# Allegro board 20250806_UNOQ.brd (continued)
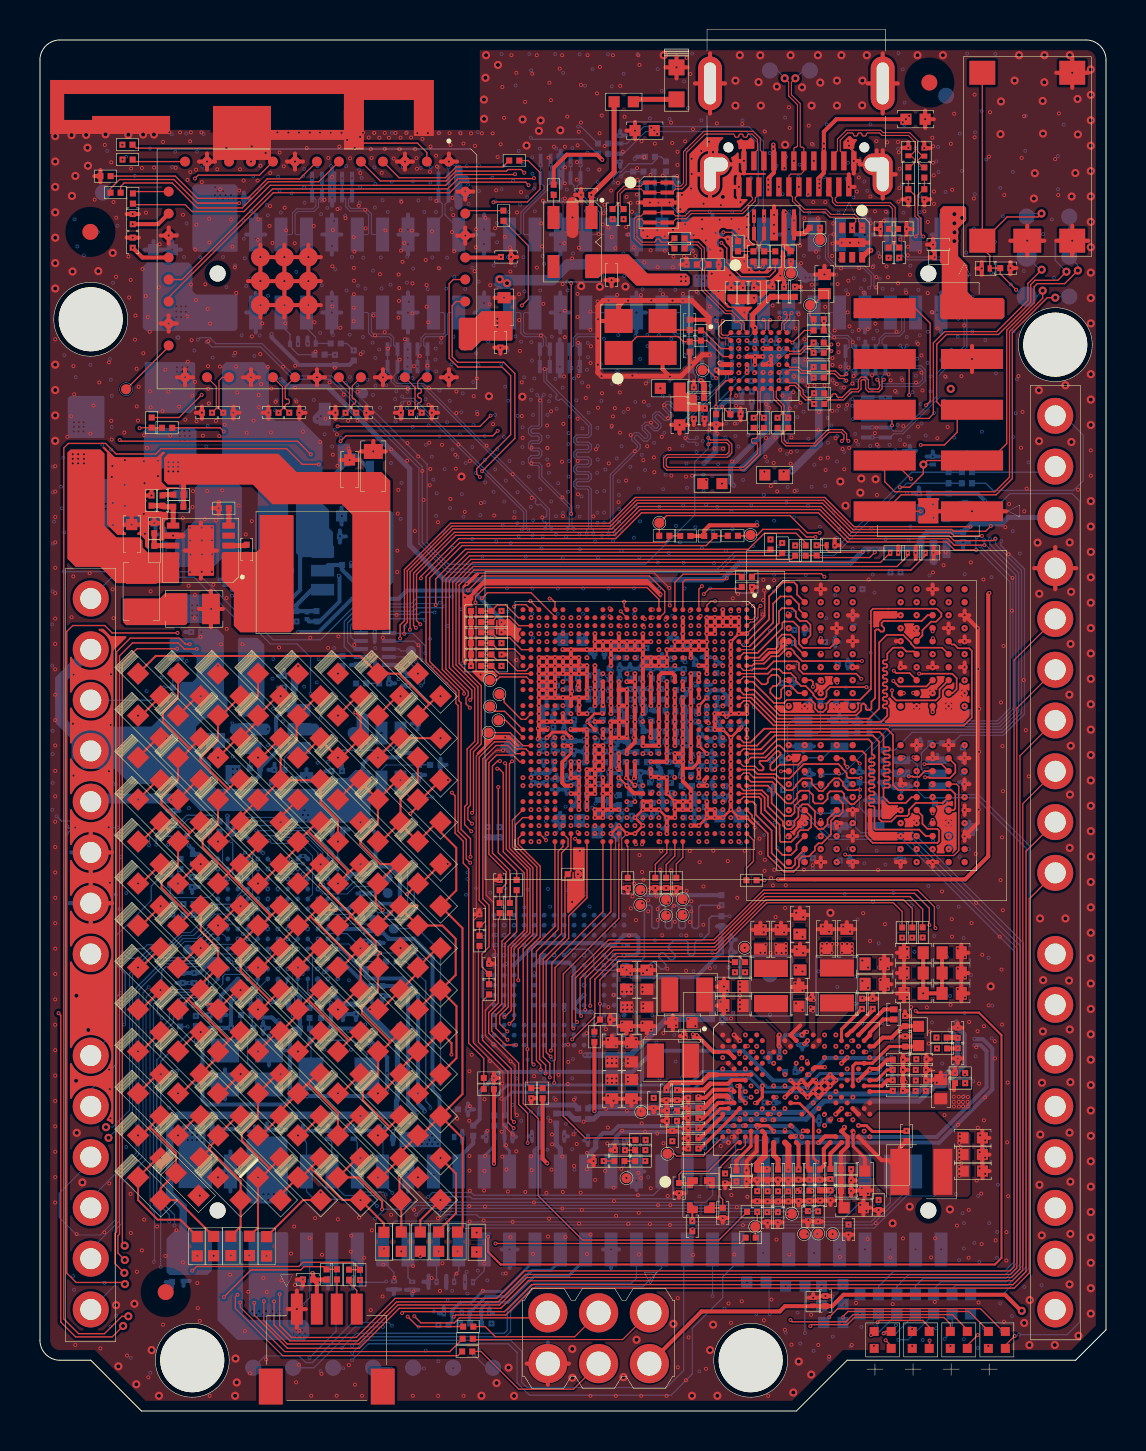
[diagram p0: board, top side]
## Routing (per net, layer and track width the routed paths; a pad name or vN(x,y) marks a point on that pad's centre or on a via; arc(x,y) is an arc through that point) (continued)
  BOTTOM w0.051: v5(13.9,26.11) 14.15,25.86 15.37,25.86
  BOTTOM w0.066: 15.37,25.86 15.75,26.24 17.07,26.24 TP2503.1 ; v5(19.16,37.55) 19.02,37.69 19.02,38.21 18.72,38.51 17.46,38.51 U1101.8
MCU_JTAG_SWCLK_1P8V: length 13.3
  S3 w0.064: v2(26.57,39.28) 26.37,39.48 26.37,39.75 25.98,40.13 24.18,40.13 23.75,39.7 20.29,39.7 v3(20.14,39.85)
  S6 w0.064: v5(19.75,39.95) 20.04,39.95 v3(20.14,39.85)
  BOTTOM w0.066: U1101.4 16.04,38.51 15.76,38.51 15.54,38.73 15.54,39.3 16.09,39.85 18.95,39.85 19.05,39.95 v5(19.75,39.95)
MCU_JTAG_SWDIO: length 18.8
  S3 w0.064: v3(14.38,36.42) 14.59,36.63 17.11,36.63 17.75,35.99 19.05,35.99 v3(19.11,35.93)
  S6 w0.064: v3(14.38,36.42) 13.87,35.91 13.87,34.31 12.4,32.84 v5(12.4,27.11) ; v5(18.82,37.46) 19.03,37.25 19.03,36.88 19.28,36.63 19.28,36.18 19.11,36.01 v3(19.11,35.93)
  BOTTOM w0.066: U1101.9 17.96,38.12 18.06,38.02 TP2502.1 18.82,37.76 v5(18.82,37.46)
MCU_JTAG_SWDIO_1P8V: length 14
  S3 w0.064: v2(26.57,39.68) 26.57,39.78 26.06,40.28 24.13,40.28 23.68,39.84 20.88,39.84 v3(20.56,40.16)
  S6 w0.064: v5(20.24,40.25) 20.36,40.13 20.53,40.13 v3(20.56,40.16)
  BOTTOM w0.066: U1101.3 16.04,38.11 15.74,38.11 15.39,38.46 15.39,39.42 15.98,40.01 18.68,40.01 18.84,40.18 20.17,40.18 v5(20.24,40.25)
MCU_JTAG_SWO_PB3: length 77.1
  S3 w0.064: JDIGITAL1.3 49.53,8.89 49.53,6.83 47.96,5.26 32.71,5.26 31.41,6.55 24.31,6.55 23.67,5.91 23.67,3.85 21.09,1.27 17.93,1.27 17.45,1.75 v3(16.43,1.75)
  S6 w0.064: v3(16.43,1.75) 16.36,1.83 16.36,3.12 11.26,8.22 8.82,8.22 6.32,10.72 6.32,13.06 6.49,13.22 6.49,17.56 8.02,19.08 8.02,19.86 8.18,20.02 8.18,22.83 7.98,23.04 7.98,23.39 8.41,23.83 8.74,23.83 9.17,24.26 9.17,24.92 v4(8.99,25.1)
  G7 w0.064: v4(8.99,25.1) 11.46,25.1 11.67,24.89 12.62,24.89 v5(13.4,24.11)
MCU_JTAG_TDI: length 2.7
  BOTTOM w0.051: MCU1.A10 15.34,26.11
  BOTTOM w0.066: 15.34,26.11 15.7,26.47 17.2,26.47 TP2501.1
MCU_LED1_BLU: length 78.9
  G7 w0.064: v5(10.52,29.24) 10.44,29.16 9.61,29.16 9.56,29.21 8,29.21 7.77,29.44 3.63,29.44 3.45,29.26 2.13,29.26 1.28,28.41 1.28,4.4 1.78,3.89 4.28,3.89 5.62,5.23 8.85,5.23 12.61,1.47 21.14,1.47 23.02,3.35 23.02,5.76 24.14,6.88 34.38,6.88 34.82,6.44 v5(35.37,6.44)
  BOTTOM w0.058: v5(10.52,29.24) 10.57,29.29 11.68,29.29 12.12,28.85 13.51,28.85 14.4,27.97 MCU1.B13
MCU_LED1_BLU_D: length 12.3
  TOP w0.066: v2(37.55,4.55) 37.64,4.46 40.33,4.46 40.69,4.82 45.65,4.82 46.4,4.07 46.4,3.98
  S3 w0.064: v3(37.25,4.55) v2(37.55,4.55)
  S6 w0.064: v5(36.51,4.85) 36.82,4.55 v3(37.25,4.55)
  BOTTOM w0.066: v5(36.51,4.85) 36.48,4.89 36.48,6.29 R2731.1
MCU_LED1_GRN: length 82.8
  G7 w0.064: v5(3.58,28.52) 4.04,28.52 4.5,28.99 7.51,28.99 7.79,28.7 9.42,28.7 9.45,28.73 9.65,28.73 9.86,28.52 v5(11.46,28.52) ; v5(37.31,6.25) 37.31,6.21 37.03,5.93 35.07,5.93 34.25,6.74 24.2,6.74 23.16,5.7 23.16,3.29 21.2,1.33 12.56,1.33 8.8,5.09 5.68,5.09 4.34,3.76 1.73,3.76 1.14,4.34 1.14,28.67 v5(1.35,28.88)
  BOTTOM w0.058: MCU1.D9 13.64,25.85 13.64,27.76 13,28.4 11.58,28.4 v5(11.46,28.52)
  BOTTOM w0.066: v5(3.58,28.52) 3.1,29.01 1.47,29.01 v5(1.35,28.88)
MCU_LED1_GRN_D: length 13
  TOP w0.066: 46.4,3.13 46.4,3.28 v2(46.92,3.8)
  S3 w0.064: v2(46.92,3.8) 46.83,3.89 44.22,3.89 44.02,3.69 43.21,3.69 42.8,4.1 41.03,4.1 40.79,3.86 38.16,3.86 v3(37.98,4.04)
  S6 w0.064: v5(38.27,3.9) 38.12,3.9 v3(37.98,4.04)
  BOTTOM w0.066: R2730.1 v5(38.27,3.9)
MCU_LED1_RED: length 83.6
  G7 w0.064: v5(11.1,28.78) 9.8,28.78 9.7,28.87 9.4,28.87 9.38,28.85 7.85,28.85 7.57,29.14 4.42,29.14 4.06,28.78 v5(3.81,28.78) ; v5(1.35,29.26) 1.35,29.24 1,28.89 1,4.28 1.67,3.62 4.42,3.62 5.74,4.94 8.73,4.94 12.49,1.18 21.26,1.18 23.31,3.23 23.31,5.64 24.26,6.59 34.19,6.59 35.06,5.72 38.59,5.72 v5(39.11,6.24)
  BOTTOM w0.058: MCU1.C13 13.9,27.94 13.27,28.56 11.88,28.56 11.66,28.78 v5(11.1,28.78)
  BOTTOM w0.066: v5(1.35,29.26) 1.35,29.25 1.44,29.16 3.17,29.16 3.48,28.85 3.73,28.85 v5(3.81,28.78)
MCU_LED1_RED_D: length 9
  TOP w0.066: v2(38.55,4.25) 38.55,4.28 38.59,4.32 40.39,4.32 40.75,4.68 45.23,4.68 45.55,4.36 D27401.2
  S3 w0.064: v3(38.69,4.54) 38.69,4.39 v2(38.55,4.25)
  S6 w0.064: v5(39.11,5.01) 38.69,4.59 v3(38.69,4.54)
  BOTTOM w0.066: R2729.1 v5(39.11,5.01)
MCU_LED2_BLU: length 90.4
  G7 w0.064: v5(9.73,29.57) 9.68,29.51 8.13,29.51 7.9,29.74 4.56,29.74 4.22,30.08 4.22,31.32 3.86,31.68 1.86,31.68 1.3,31.11 1.3,29.74 0.86,29.31 0.86,4.23 1.61,3.48 4.47,3.48 5.8,4.8 8.68,4.8 12.43,1.04 21.32,1.04 23.45,3.17 23.45,5.58 24.32,6.45 34.13,6.45 35.01,5.58 39.51,5.58 v5(39.66,5.73)
  BOTTOM w0.058: MCU1.A13 14.9,27.98 13.7,29.17 12.32,29.17 11.8,29.69 9.86,29.69 v5(9.73,29.57)
  BOTTOM w0.066: v5(39.66,5.73) 39.66,4.87 R2734.2
MCU_LED2_BLU_D: length 10.2
  TOP w0.066: D27402.3 48.2,3.98 47.06,5.12 39.91,5.12 v2(39.49,4.7)
  S3 w0.064: v3(39.84,4.37) 39.82,4.37 v2(39.49,4.7)
  S6 w0.064: v5(40.13,4.37) v3(39.84,4.37)
MCU_LED2_GRN: length 91.8
  G7 w0.064: v5(3.78,31.34) 3.78,30.13 4.33,29.58 7.83,29.58 8.06,29.35 9.62,29.35 9.63,29.33 10.08,29.33 v5(10.19,29.44) ; v5(40.18,6.32) 40.18,5.86 39.76,5.44 34.95,5.44 34.08,6.31 24.38,6.31 23.59,5.52 23.59,3.11 21.38,0.9 12.38,0.9 8.62,4.66 5.85,4.66 4.53,3.34 1.55,3.34 0.73,4.17 0.73,29.37 1.16,29.8 1.16,31.21 1.83,31.88 v5(1.88,31.88)
  BOTTOM w0.058: v5(10.19,29.44) 10.26,29.51 11.71,29.51 12.2,29.03 13.59,29.03 14.66,27.97 14.66,27.51 14.49,27.35 14.24,27.35 14.15,27.25 14.15,26.86 MCU1.C11
  BOTTOM w0.066: v5(1.88,31.88) 1.98,31.78 3.35,31.78 v5(3.78,31.34)
MCU_LED2_GRN_D: length 10.6
  TOP w0.066: v2(48.77,3.75) 48.3,3.28 D27402.4
  S3 w0.064: v2(48.77,3.75) 48.41,4.11 44,4.11 43.8,3.91 43.33,3.91 43.02,4.22 40.61,4.22 v3(40.56,4.27)
  S6 w0.064: v3(40.56,4.27) 40.25,4.58 v5(40.25,5.3)
MCU_LED2_RED: length 88
  G7 w0.064: v5(41.03,5.82) 40.37,5.82 39.85,5.3 34.89,5.3 34.02,6.17 24.44,6.17 23.73,5.46 23.73,3.05 21.44,0.76 12.32,0.76 8.56,4.52 5.91,4.52 4.59,3.2 1.5,3.2 0.59,4.11 0.59,29.51 v5(0.83,29.75) ; v5(10.82,29.03) 10.74,28.96 10.46,28.96 10.41,29.01 7.92,29.01 7.63,29.29 4.36,29.29 4.25,29.18 v5(3.89,29.18)
  BOTTOM w0.058: v5(10.82,29.03) 11.66,29.03 11.99,28.7 13.39,28.7 14.15,27.94 14.15,27.51 13.9,27.26 MCU1.C12
  BOTTOM w0.066: v5(3.89,29.18) 3.61,29.18 3.45,29.34 1.91,29.34 1.73,29.51 1.07,29.51 v5(0.83,29.75)
MCU_LED2_RED_D: length 8.9
  TOP w0.066: v2(40.18,4.68) 40.18,4.73 40.43,4.98 46.48,4.98 47.45,4.01 D27402.2
  S3 w0.064: v3(40.82,4.63) 40.72,4.73 40.23,4.73 v2(40.18,4.68)
  S6 w0.064: v3(40.82,4.63) 40.82,4.67 41,4.85 v5(41.03,4.85)
MCU_MCO_PA8: length 57.5
  S6 w0.064: v4(4.39,24.61) 3.91,24.13 3.91,15.39 4.7,14.6 4.7,6.81 6.11,5.4 9.07,5.4 11.13,3.35 15.53,3.35 v5(15.62,3.26)
  G7 w0.064: v4(4.39,24.61) 5.92,24.61 6.45,24.08 7.44,24.08 7.7,24.33 8.23,24.33 8.76,24.87 11.48,24.87 11.68,24.66 v5(11.89,24.66)
  BOTTOM w0.066: JMISC1.23 31.11,7.17 30.16,6.22 24.8,6.22 23.55,4.97 23.55,3.97 23.3,3.72 16.08,3.72 v5(15.62,3.26)
MCU_NRST: length 92.3
  TOP w0.066: v2(18.73,4.74) 19.06,4.41 20.73,4.41 20.98,4.66 25.16,4.66 JSPI1.5
  S3 w0.064: v3(2.5,20.47) 2.5,19.96 0.91,18.37 0.91,6.75 1.39,6.27 3.22,6.27 3.76,5.73 4.63,5.73 5.7,6.8 7.79,6.8 8.21,7.22 12.58,7.22 14.11,5.69 18.07,5.69 18.73,5.03 v2(18.73,4.74) ; v3(14,32.72) 7.26,32.72 v3(7.17,32.63) ; v3(19.46,34.72) 14.65,34.72 v3(14.51,34.86)
  S6 w0.064: v4(4.88,22.91) 4.95,22.99 4.95,28.62 7.17,30.84 v3(7.17,32.63) 7.17,35.22 v5(6.2,36.19) ; v5(19.28,37.9) 19.36,37.82 19.36,36.97 19.66,36.67 19.66,34.92 v3(19.46,34.72) ; v3(14,32.72) 14.42,33.14 14.42,34.77 v3(14.51,34.86) ; v3(2.5,20.47) v4(3.48,20.47)
  G7 w0.064: v4(3.48,20.47) 3.48,20.97 4.88,22.37 v4(4.88,22.91) 4.95,22.99 8.28,22.99 8.46,23.16 10.06,23.16 10.21,23.32 10.49,23.32 10.9,22.91 11.05,22.91 11.35,22.61 v5(11.4,22.61)
  BOTTOM w0.066: TP2602.1 6.65,36.53 6.65,36.52 R2622.2 v5(6.2,36.19) 5.57,35.56 JANALOG1.3 ; U1101.7 17.46,38.91 18.64,38.91 19.28,38.27 v5(19.28,37.9)
MCU_NRST_1P8V: length 9.2
  S3 w0.064: v2(24.57,39.68) 24.15,39.68 23.86,39.39 19.72,39.39 v3(19.55,39.56)
  S6 w0.064: v3(19.55,39.56) v5(19.26,39.56)
  BOTTOM w0.066: U1101.5 16.05,39.18 16.5,39.63 19.19,39.63 v5(19.26,39.56)
MCU_OPAMP1_ VINM_PA1: length 52.5
  S6 w0.064: v4(5.38,21.56) 5.28,21.46 5.28,20.42 4.7,19.84 4.7,15.71 5.36,15.05 5.36,7.15 6.4,6.11 9.36,6.11 9.5,5.97 12.54,5.97 13.27,5.24 v4(13.46,5.24)
  G7 w0.064: v5(19.42,10.71) 19.54,10.59 19.54,8.48 19.18,8.12 19.18,6.18 18.35,5.35 13.57,5.35 v4(13.46,5.24) ; v5(9.9,22.61) 9.8,22.71 8.64,22.71 8.46,22.53 6.45,22.53 5.49,21.56 v4(5.38,21.56)
  BOTTOM w0.066: v5(19.42,10.71) 19.64,10.93 21.58,10.93 21.71,10.79 30.68,10.79 31.11,11.22 31.11,11.98
MCU_OPAMP1_ VINP_PA0: length 55
  S6 w0.064: v4(13.66,5.04) 13.21,5.04 12.46,5.79 9.5,5.79 9.31,5.98 6.35,5.98 5.23,7.1 5.23,14.97 4.55,15.65 4.55,19.89 5.13,20.47 5.13,21.82 v4(5.25,21.93)
  G7 w0.064: v4(5.25,21.93) 5.64,21.93 6.39,22.68 8.39,22.68 8.57,22.86 10.15,22.86 v5(10.4,22.61) ; v4(13.66,5.04) 13.77,5.15 18.44,5.15 19.38,6.09 19.38,8.03 19.74,8.39 19.74,10.51 v5(19.9,10.67)
  BOTTOM w0.066: v5(19.9,10.67) 19.95,10.72 21.52,10.72 21.62,10.62 32.12,10.62 32.38,10.88 32.38,11.98
MCU_OPAMP1_VOUT_PA3: length 52.4
  S6 w0.064: v5(6.04,7.21) 7.75,7.21 8.53,6.43 10.97,6.43 11.27,6.13 12.6,6.13 13.13,5.6 v4(13.38,5.6) ; v5(16.77,9.62) 16.95,9.44 16.95,6.04 v4(17.42,5.57)
  G7 w0.066: v4(17.42,5.57) 17.39,5.6 v4(13.38,5.6)
  BOTTOM w0.058: MCU1.N2 8.57,22.11 8.28,21.82 8.28,21.71 8.28,21.71 8.28,21.39 7.98,21.09 6.39,21.09 5.68,20.38
  BOTTOM w0.066: v5(6.04,7.21) 6.04,9.94 5.68,10.3 5.68,20.38 ; 33.65,11.98 33.65,10.79 33.3,10.44 18.56,10.44 18.21,10.09 17.24,10.09 v5(16.77,9.62)
MCU_OSC32_IN_PC14: length 1.7
  BOTTOM w0.066: R2514.2 14.07,20.3 13.4,20.97 MCU1.D1
MCU_OSC32_OUT_PC15: length 1.7
  BOTTOM w0.066: R2513.1 13.49,20.57 12.9,21.16 MCU1.E1
MCU_OSC_IN_PH0_R: length 1.6
  BOTTOM w0.066: R2509.1 10.59,20.81 MCU1.H1
MCU_OSC_OUT_PH1_R: length 1.6
  BOTTOM w0.066: R2511.1 10.06,20.55 10.9,21.39 MCU1.J1
MCU_PA4: length 8.9
  G7 w0.064: v5(6.1,20.17) v5(3.48,20.17)
  BOTTOM w0.058: MCU1.N1 8.9,21.56 8.15,20.81 6.74,20.81 v5(6.1,20.17)
  BOTTOM w0.066: v5(3.48,20.17) 3.63,20.02 3.63,18.87 JANALOG1.9
MCU_PA5: length 13.7
  G7 w0.064: v5(10.4,23.11) 10.3,23.01 8.51,23.01 8.33,22.83 5.66,22.83 4.03,21.2 v5(4.03,20.92)
  BOTTOM w0.066: v5(4.03,20.92) 3.84,20.73 3.84,17.37 2.54,16.08 JANALOG1.10
MCU_PA6: length 23.9
  BOTTOM w0.058: JANALOG1.11 2.54,12.47 0.97,10.9 0.97,9.68 1.84,8.81 3.02,8.81 3.78,9.58 3.78,11.68 4.95,12.85 4.95,21.08 ; MCU1.N4 8.58,23.11 7.84,22.37 6.24,22.37
  BOTTOM w0.066: 6.24,22.37 4.95,21.08
MCU_PA7: length 19
  BOTTOM w0.058: MCU1.J5 10.63,23.34 8.61,23.34 7.79,22.52 6.16,22.52 ; JANALOG1.12 2.54,10.64 4.81,12.91 4.81,21.17
  BOTTOM w0.066: 6.16,22.52 4.81,21.17
MCU_PA11: length 82.9
  S3 w0.064: JDIGITAL1.6 49,15.98 49,7.15 47.64,5.79 32.93,5.79 31.64,7.09 24.09,7.09 23.13,6.13 23.13,4.07 20.87,1.81 18.39,1.81 v3(17.83,2.36)
  S6 w0.064: v4(9.91,28.07) 9.46,27.62 9.46,24.15 9.45,24.14 9.45,24.08 8.61,23.24 8.61,21.9 9.14,21.36 9.14,19.37 7.09,17.31 7.09,12.98 6.92,12.81 6.92,10.81 8.91,8.82 11.5,8.82 17.83,2.49 v3(17.83,2.36)
  G7 w0.064: v5(11.9,27.61) 11.37,28.14 9.98,28.14 v4(9.91,28.07)
MCU_PA12: length 81.7
  S3 w0.064: JDIGITAL1.5 49.17,13.61 49.17,6.97 47.81,5.61 32.86,5.61 31.56,6.91 24.17,6.91 23.31,6.05 23.31,4 20.94,1.63 18.08,1.63 17.07,2.64 v3(16.97,2.64)
  S6 w0.064: v4(9.42,28.04) 9.32,27.94 9.32,24.21 8.48,23.37 8.48,23.31 8.47,23.3 8.47,19.9 8.31,19.74 8.31,18.96 6.79,17.43 6.79,13.1 6.62,12.93 6.62,10.76 8.86,8.52 11.38,8.52 16.97,2.93 v3(16.97,2.64)
  G7 w0.064: v4(9.42,28.04) 9.68,28.3 11.72,28.3 v5(12.4,27.61)
MCU_PB0: length 73.8
  S3 w0.064: JDIGITAL1.4 49.35,11.25 49.35,6.9 47.89,5.44 32.78,5.44 31.49,6.73 24.24,6.73 23.49,5.98 23.49,3.92 21.02,1.45 18.01,1.45 17.25,2.21 v3(16.69,2.21)
  S6 w0.064: v4(8.23,23.27) 8.33,23.16 8.33,19.97 8.16,19.8 8.16,19.02 6.64,17.5 6.64,13.17 6.47,13 6.47,10.74 8.84,8.37 11.32,8.37 16.61,3.07 16.61,2.29 v3(16.69,2.21)
  G7 w0.064: v4(8.23,23.27) 8.36,23.39 9.98,23.39 10.2,23.61 v5(10.4,23.61)
MCU_PB1: length 81.4
  S3 w0.064: v3(15.98,2.79) 16.18,3 17.11,3 17.42,2.69 18.02,2.69 18.73,1.98 20.8,1.98 22.96,4.14 22.96,6.2 24.02,7.26 31.71,7.26 33.01,5.97 47.52,5.97 48.82,7.27 48.82,18.34 JDIGITAL1.7
  S6 w0.064: v5(5.82,22.56) 5.84,22.53 5.94,22.53 6.2,22.28 6.2,20.5 5.33,19.63 5.33,16 6.15,15.19 6.15,10.71 8.78,8.08 11.2,8.08 15.98,3.3 v3(15.98,2.79)
  BOTTOM w0.058: 5.93,22.67 7.74,22.67 8.68,23.61
  BOTTOM w0.066: v5(5.82,22.56) 5.93,22.67 ; 8.68,23.61 MCU1.N5
MCU_PB2: length 80.7
  S3 w0.064: v3(17.83,3) 18.18,3 19.05,2.13 20.69,2.13 22.78,4.22 22.78,6.28 23.94,7.44 31.78,7.44 33.08,6.15 47.4,6.15 48.64,7.39 48.64,20.7 JDIGITAL1.8
  S6 w0.064: v3(17.83,3) 17.55,3 11.58,8.97 8.93,8.97 7.07,10.83 7.07,12.75 7.24,12.92 7.24,17.25 9.3,19.3 9.3,21.54 8.76,22.07 8.76,23.06 8.99,23.29 9.58,23.29 v5(9.9,23.61)
MCU_PB8: length 77.5
  TOP w0.066: v2(18.12,4.9) 18.19,4.97 23.24,4.97 24.59,6.32 48.69,6.32 49.34,6.97 49.34,28 JDIGITAL1.10
  S3 w0.064: v3(17.81,5.01) 18.01,5.01 v2(18.12,4.9)
  S6 w0.064: v4(12.45,17.81) 11.56,16.92 11.56,15.27 17.11,9.72 17.11,6.27 17.81,5.57 v3(17.81,5.01)
  G7 w0.064: v5(12.65,19.76) 12.65,19.56 12.41,19.32 12.41,17.84 v4(12.45,17.81)
  BOTTOM w0.051: MCU1.E5 12.65,23.36 12.65,21.21
  BOTTOM w0.066: v5(12.65,19.76) 12.75,19.86 12.75,20.65 12.57,20.83 12.57,21.13 12.65,21.21
MCU_PC0: length 23.1
  G7 w0.064: v5(10.9,22.11) 10.9,21.82 10.72,21.65 6.25,21.65 v5(5.84,21.23)
  BOTTOM w0.058: v5(5.84,21.23) 5.31,20.7 5.31,12.6 4.11,11.4 4.11,9.4 3.76,9.04 3.76,6.3 JANALOG1.14
MCU_PC1: length 21.3
  G7 w0.064: v5(5.44,21.21) 6.36,22.13 8.04,22.13 8.35,21.82 10.46,21.82 10.61,21.97 10.61,22.33 v5(10.9,22.61)
  BOTTOM w0.058: JANALOG1.13 2.54,8.08 3.96,9.5 3.96,11.56 5.16,12.75 5.16,20.93 v5(5.44,21.21)
MCU_PE7: length 65
  G7 w0.064: v5(18.82,9.82) 18.76,9.76 18.76,7.4 18.29,6.93 18.29,6.28 17.81,5.8 3.99,5.8 3.74,6.05 3.74,13.42 4.04,13.72 4.04,18.15 3,19.19 3,21.62 4.12,22.74 v5(4.12,22.95)
  BOTTOM w0.058: 7.69,23.79 7.11,23.79 6.49,23.17 ; MCU1.L7 9.65,24.86 8.76,24.86
  BOTTOM w0.066: v5(18.82,9.82) 19.14,10.14 38.1,10.14 38.73,10.77 38.73,11.98 ; v5(4.12,22.95) 4.43,22.64 4.98,22.64 5.51,23.17 6.49,23.17 ; 7.69,23.79 8.76,24.86
MCU_PE8: length 64.2
  G7 w0.064: v5(18.65,10.13) 18.62,10.1 18.62,7.46 18.15,6.99 18.15,6.34 17.75,5.94 4.08,5.94 3.87,6.15 3.87,13.37 4.17,13.67 4.17,18.2 3.13,19.24 3.13,21.57 4.46,22.9 v5(4.46,22.95)
  BOTTOM w0.058: 5.17,23.12 5.37,23.32 6.44,23.32 7.05,23.93 7.54,23.93 8.62,25.01 8.62,25.29 8.68,25.35 10,25.35 10.14,25.21 10.14,24.96 10.4,24.7 MCU1.K7
  BOTTOM w0.066: v5(18.65,10.13) 18.81,10.29 36.71,10.29 37.46,11.04 37.46,11.98 ; 5.17,23.12 4.63,23.12 v5(4.46,22.95)
MCU_PSSI_D0: length 49.5
  S6 w0.064: v5(13.16,27.38) 12.9,27.13 12.9,26.44 13.16,26.19 13.16,21.67 13.82,21.01 13.82,17.42 16.02,15.22 16.02,13.67 23.04,6.65 43.57,6.65 45,8.08 v5(45.08,8.08)
  BOTTOM w0.051: MCU1.H13 11.63,27.38 v5(13.16,27.38)
MCU_PSSI_D1: length 46.7
  S6 w0.064: v5(43.81,8.08) 43.73,8.08 42.48,6.83 23.09,6.83 16.15,13.77 16.15,15.32 13.97,17.5 13.97,21.08 13.31,21.74 13.31,26.7 v5(13.15,26.86)
  BOTTOM w0.051: v5(13.15,26.86) 12.15,26.86 MCU1.G12
MCU_PSSI_D2: length 44.6
  S6 w0.064: v4(13.61,25.91) 13.49,25.78 13.49,21.81 14.15,21.15 14.15,17.58 16.28,15.44 16.28,13.83 23.07,7.04 41.41,7.04 42.46,8.08 v5(42.54,8.08)
  G7 w0.064: v5(11.9,26.11) 12.1,25.91 v4(13.61,25.91)
MCU_PSSI_D3: length 42.9
  S6 w0.064: v5(41.27,8.08) 41.19,8.08 40.31,7.21 23.11,7.21 16.42,13.9 16.42,15.51 14.35,17.58 14.35,21.23 13.64,21.95 13.64,25.3 13.87,25.53 v4(13.85,25.53)
  G7 w0.064: v5(11.9,25.61) 13.78,25.61 13.87,25.53 13.87,25.53 v4(13.85,25.53)
MCU_PSSI_D4: length 35.7
  S6 w0.064: v5(40,8.08) 39.92,8.08 39.18,7.34 23.19,7.34 16.54,13.99 16.54,15.62 14.53,17.63 14.53,21.44 13.9,22.07 13.9,22.1 v5(13.89,22.1)
MCU_PSSI_D5: length 38.9
  S6 w0.05: 34.36,7.48 38.22,7.48 38.36,7.62
  S6 w0.064: 34.36,7.48 23.25,7.48 16.68,14.06 16.68,15.71 14.73,17.65 14.73,21.56 14.13,22.16 14.13,22.19 13.98,22.35 13.95,22.35 13.89,22.4 13.89,25.24 14.08,25.43 14.08,25.62 14.08,25.85 14.08,25.85 14.08,25.97 14.13,26.02 14.13,26.21 14.12,26.22 14.12,26.29 v5(14.17,26.34) ; 38.36,7.62 38.65,7.91 v5(38.73,7.91)
  BOTTOM w0.051: v5(14.17,26.34) 14.17,26.32 MCU1.B10
MCU_PSSI_D6: length 32.2
  S6 w0.064: v5(14.9,22.11) 14.94,22.08 14.94,17.68 16.83,15.78 16.83,14.1 23.31,7.62 37.18,7.62 v5(37.46,7.91)
MCU_PSSI_D7: length 32.5
  S6 w0.064: v4(14.22,22.43) 14.23,22.43 14.9,22.43 15.13,22.2 15.13,17.74 16.97,15.9 16.97,14.15 23.36,7.76 35.83,7.76 v4(36.2,8.13)
  G7 w0.064: v5(36.19,7.91) 36.19,8.13 v4(36.2,8.13) ; v5(13.9,22.61) 14.02,22.49 14.16,22.49 v4(14.22,22.43)
MCU_PSSI_DE: length 72.9
  S6 w0.064: v5(15.63,2.91) 14.98,2.91 14.89,3 11.02,3 8.99,5.03 5.71,5.03 4.53,3.85 1.97,3.85 1.1,4.71 1.1,26.38 1.32,26.59 v4(1.7,26.59)
  G7 w0.064: v4(1.7,26.59) 3.89,26.59 5.13,27.84 8.81,27.84 9.25,27.41 9.75,27.41 v5(9.91,27.25)
  BOTTOM w0.066: v5(9.91,27.25) 9.9,27.25 MCU1.L12 ; v5(15.63,2.91) 16.26,3.54 23.55,3.54 24.1,2.99 24.1,1.44 24.37,1.17 31.35,1.17 32.21,2.03 32.21,7.91 JMISC1.21
MCU_PSSI_PDCK: length 75.1
  S6 w0.064: v4(1.68,26.95) 1.42,26.95 0.93,26.45 0.93,4.64 1.89,3.67 4.6,3.67 5.68,4.75 9,4.75 10.9,2.85 14.82,2.85 15.13,2.54 v5(15.61,2.54)
  G7 w0.064: v4(1.68,26.95) 1.78,26.95 1.98,26.75 3.82,26.75 5.07,27.99 8.86,27.99 9.24,27.61 v5(9.9,27.61)
  BOTTOM w0.066: JMISC1.17 34.92,7.47 34.16,6.71 34.16,5.66 32.64,4.14 32.64,1.85 31.57,0.79 24.49,0.79 23.87,1.41 23.87,2.93 23.44,3.36 16.43,3.36 v5(15.61,2.54)
MCU_PSSI_RDY: length 35.7
  S6 w0.064: v5(33.65,5.75) 32.91,6.49 23.01,6.49 15.81,13.69 15.81,15.15 14.36,16.6 13.99,16.6 12.88,17.71 12.88,22.23 12.93,22.28 12.93,22.73 v4(12.88,22.78)
  G7 w0.064: v5(14.2,22.81) 14.15,22.86 12.95,22.86 v4(12.88,22.78)
  BOTTOM w0.066: MCU1.B3 v5(14.2,22.81) ; JMISC1.19 v5(33.65,5.75)
MCU_SDMMC1_CMD_PD2: length 73
  S6 w0.064: v4(14.3,4.43) 14.25,4.38 13.21,4.38 12.29,5.3 9.39,5.3 9.13,5.56 6.17,5.56 4.83,6.9 4.83,14.68 4.06,15.45 4.06,24 4.34,24.28 v4(4.47,24.28)
  G7 w0.064: v4(14.3,4.43) 14.44,4.57 18.87,4.57 20.31,6.01 20.31,8.95 v5(20.45,9.09) ; v5(12.4,24.61) 12.22,24.43 9.65,24.43 9.4,24.18 7.76,24.18 7.5,23.93 6.38,23.93 6.02,24.28 v4(4.47,24.28)
  BOTTOM w0.066: v5(20.45,9.09) 20.51,9.15 41.74,9.15 43.34,10.75 44.76,10.75 45.08,11.07 JMISC1.2
MCU_SOC_LPUART1_CTS: length 4.8
  G7 w0.064: v5(10.9,25.61) 8.89,25.61 7.88,24.6 6.85,24.6 v5(6.62,24.83)
MCU_SOC_LPUART1_RTS: length 4.9
  G7 w0.064: v5(6.96,27.05) 6.96,27 7.47,26.48 8.61,26.48 8.98,26.11 v5(11.4,26.11)
MCU_SOC_LPUART1_RX: length 4.6
  G7 w0.064: v5(11.4,25.61) 11.15,25.86 7.11,25.86 v5(6.96,26.01)
MCU_SOC_LPUART1_TX: length 5.2
  G7 w0.064: v5(7.14,24.36) 7.24,24.46 8.03,24.46 8.89,25.32 11.69,25.32 v5(11.9,25.11)
MCU_SPI2_CLK: length 1.6
  BOTTOM w0.051: 8.46,28.05 MCU1.N13
  BOTTOM w0.066: R2641.1 8.46,28.05
MCU_SPI2_CLK_CONN: length 104.2
  TOP w0.058: 11.99,4.28 v2(11.99,5.84) ; 24.23,7.01 48.54,7.01 48.74,7.21 48.74,37.56 JDIGITAL1.14
  TOP w0.066: 24.23,7.01 22.85,5.64 17.77,5.64 15.82,3.68 12.59,3.68 11.99,4.28
  S3 w0.064: v2(11.99,5.84) 11.99,6.31 12.11,6.43 v3(12.27,6.43)
  S6 w0.064: v5(5.82,28.32) 5.8,28.32 5.74,28.26 5.74,23.95 5.54,23.75 5.54,22.48 6.02,22 6.02,20.52 5.18,19.68 5.18,15.9 5.99,15.09 5.99,10.69 8.75,7.93 10.74,7.93 12.24,6.43 v3(12.27,6.43)
  BOTTOM w0.066: R2641.2 8.34,29.61 7.41,29.61 6.99,29.19 6.31,29.19 5.82,28.7 v5(5.82,28.32)
MCU_SPI2_CLK_PD1: length 54.3
  TOP w0.066: R2617.1 18.9,4.22 v2(18.4,4.72)
  S3 w0.064: v2(18.4,4.72) 18.4,5.04 18.03,5.41 14.11,5.41 12.45,7.07 8.35,7.07 6.45,5.17 5.77,5.17 4.32,3.72 1.77,3.72 0.71,4.78 0.71,10.04 0.71,10.05 0.71,22.81 v3(1.96,24.05)
  S6 w0.064: v3(1.96,24.05) 2.21,24.05 v4(2.26,24.1)
  G7 w0.064: v5(12.4,24.11) 12.2,24.31 9.7,24.31 9.44,24.04 7.82,24.04 7.56,23.79 4.58,23.79 4.27,24.1 v4(2.26,24.1)
MCU_SPI2_CLK_PD1_CONN: length 7
  TOP w0.058: 26.75,3.71 JSPI1.3
  TOP w0.066: R2617.2 22.28,4.22 22.79,3.71 26.75,3.71
MCU_SPI2_MISO: length 2
  BOTTOM w0.051: 9.14,28.83 9.14,27.37 MCU1.M12
  BOTTOM w0.066: 9.14,28.83 R2640.1
MCU_SPI2_MISO_CONN: length 102.7
  TOP w0.058: 11.71,4.31 v2(11.71,5.49) ; 24.3,6.83 48.56,6.83 48.88,7.15 48.88,35.16 JDIGITAL1.13
  TOP w0.066: 24.3,6.83 22.93,5.46 17.85,5.46 15.9,3.51 12.51,3.51 11.71,4.31
  S3 w0.064: v3(11.48,6.45) 11.48,5.94 11.71,5.71 v2(11.71,5.49)
  S6 w0.064: v3(11.48,6.45) 11.48,6.64 10.35,7.78 8.72,7.78 5.83,10.67 5.83,15.03 5.02,15.83 5.02,19.73 5.87,20.57 5.87,21.92 5.38,22.4 5.38,23.81 5.59,24.02 5.59,28.17 v5(5.46,28.3)
  BOTTOM w0.066: R2640.2 8.68,29.8 7.35,29.8 6.94,29.4 6.03,29.4 5.49,28.85 5.49,28.32 v5(5.46,28.3)
MCU_SPI2_MISO_PC2: length 37.9
  TOP w0.058: v2(10.02,5.42) 10.02,5.19 12.24,2.97 17.59,2.97
  TOP w0.066: R2618.1 20.51,2.97 17.59,2.97
  S3 w0.064: v2(10.02,5.42) 10.01,5.42 v3(8.68,6.75)
  S6 w0.064: v5(5.7,7.46) 7.83,7.46 8.54,6.75 v3(8.68,6.75)
  BOTTOM w0.058: 8.53,22.86 7.9,22.23 6.3,22.23
  BOTTOM w0.066: 6.3,22.23 6.1,22.02 6.1,21.01 5.51,20.42 5.51,10.16 5.73,9.94 5.73,7.49 v5(5.7,7.46) ; MCU1.J4 10.65,22.86 8.53,22.86
MCU_SPI2_MISO_PC2_CONN: length 9.4
  TOP w0.058: 22.72,3.57 29.15,3.57 JSPI1.1
  TOP w0.066: R2618.2 21.7,3.57 22.72,3.57
MCU_SPI2_MOSI: length 4.3
  G7 w0.064: v5(7.37,28.75) 7.62,28.5 v5(9.55,28.5)
  BOTTOM w0.066: v5(9.55,28.5) 9.65,28.4 9.65,26.86 MCU1.L11
MCU_SPI2_MOSI_CONN: length 97.8
  TOP w0.058: JDIGITAL1.12 49.03,32.77 49.03,7.1 48.62,6.68 24.36,6.68 ; 12.37,3.35 11.2,4.52 v2(11.2,5.49)
  TOP w0.066: 12.37,3.35 15.96,3.35 17.91,5.31 22.99,5.31 24.36,6.68
  S3 w0.064: v3(10.85,6.72) 11.02,6.55 11.02,5.66 v2(11.2,5.49)
  S6 w0.064: v5(6.12,28.63) 6.1,28.65 5.31,28.65 5.21,28.55 5.21,22.33 5.71,21.82 5.71,20.62 4.86,19.76 4.86,15.77 5.66,14.96 5.66,10.65 8.69,7.62 9.83,7.62 10.73,6.72 v3(10.85,6.72)
  BOTTOM w0.066: R2626.2 6.2,28.75 6.12,28.68 v5(6.12,28.63)
MCU_SPI2_MOSI_PC3: length 34.6
  TOP w0.058: 17.68,2.77 12.14,2.77 9.78,5.13 9.78,5.71 v2(9.88,5.82)
  TOP w0.066: 17.68,2.77 20.91,2.77 R2619.1
  S3 w0.064: v3(9.46,6.69) 9.88,6.27 v2(9.88,5.82)
  S6 w0.064: v5(6.46,9.47) 6.46,9.23 6.79,8.9 6.96,8.9 8.55,7.31 8.84,7.31 v3(9.46,6.69)
  BOTTOM w0.058: 9.15,21.73 9.26,21.84 10.17,21.84 MCU1.K1 ; 9.15,21.37 8.83,21.05 8.59,21.05 8.21,20.67
  BOTTOM w0.066: 9.15,21.37 9.15,21.73 ; 8.21,20.67 7.03,20.67 6.48,20.12 6.48,19.57 6.04,19.13 6.04,17.76 5.84,17.56 5.84,10.45 6.46,9.83 v5(6.46,9.47)
MCU_SPI2_MOSI_PC3_CONN: length 7.6
  TOP w0.066: JSPI1.4 27.95,2.35 26.7,1.09 23.95,1.09 22.07,2.98 R2619.2
MCU_SPI2_NSS: length 9.4
  G7 w0.064: v5(7.8,19.76) 8.03,19.76 8.36,20.09 13,20.09 v5(13.87,20.95)
  BOTTOM w0.051: MCU1.D5 13.64,23.37
  BOTTOM w0.066: v5(13.87,20.95) 13.64,21.18 13.64,23.37
MCU_SPI2_NSS_CONN: length 84
  TOP w0.058: JDIGITAL1.11 49.18,30.38 49.18,7.04 48.65,6.51 24.43,6.51 ; 10.72,4.8 v2(10.72,5.41)
  TOP w0.066: 24.43,6.51 23.06,5.14 17.98,5.14 15.98,3.14 12.38,3.14 10.72,4.8
  S3 w0.064: v3(10.16,6.71) 10.44,6.43 10.44,5.69 v2(10.72,5.41)
  S6 w0.064: v5(6.73,9.28) 6.83,9.28 8.67,7.44 9.42,7.44 v3(10.16,6.71)
  BOTTOM w0.066: v5(6.73,9.28) 6.73,9.81 6.05,10.49 6.05,17.5 R2625.2
MCU_SPI3_CLK: length 13.6
  S3 w0.05: v2(27.37,28.88) 27.37,28.68
  S3 w0.064: 27.37,28.68 25.99,27.3 22.53,27.3 22,26.77 19.13,26.77 v3(19.02,26.67)
  S6 w0.064: v3(19.02,26.67) 19,26.64 v5(18.72,26.64)
  BOTTOM w0.066: v5(18.72,26.64) 18.72,24.97 18.34,24.59 17.17,24.59 17.09,24.66 R2505.2
MCU_SPI3_CLK_R: length 1.3
  BOTTOM w0.051: MCU1.A7 14.95,24.66 16.13,24.66
MCU_SPI3_CS_N: length 37.6
  TOP w0.066: v2(25.55,17.73) 25.33,17.95 25.33,22.52 26.45,23.64 26.45,24.75 27.37,25.67 SOC1.AA30
  S3 w0.066: v2(25.55,17.73) 25.45,17.63 21.49,17.63 19.67,15.81 18.71,15.81 18.34,15.44 11.98,15.44 11.29,16.13 6.3,16.13 v3(6.05,15.88)
  S6 w0.064: v5(6.27,19.03) 6.27,16.1 v3(6.05,15.88)
  BOTTOM w0.066: v5(6.27,19.03) 6.68,19.44 6.68,19.95 7.04,20.31 R2508.2
MCU_SPI3_CS_N_R: length 15.2
  S6 w0.064: v4(4.32,21.18) 4.32,23.62 v4(4.34,23.65)
  G7 w0.064: v4(4.32,21.18) 4.52,20.98 5.11,20.98 5.31,20.78 7.34,20.78 v5(7.75,20.37) ; v4(4.34,23.65) 7.62,23.65 7.87,23.9 9.49,23.9 9.78,24.19 10.93,24.19 11.23,23.9 12.69,23.9 v5(12.9,24.11)
MCU_SPI3_MISO: length 40.7
  TOP w0.05: 28.17,28.33 28.17,28.48
  TOP w0.066: v2(25.56,18.03) 25.61,18.08 25.61,22.42 28.17,24.97 28.17,28.33
  S3 w0.064: v3(14.25,27.05) v3(18.69,27.05)
  S3 w0.066: v3(17.91,16.05) 18.39,16.05 18.95,16.61 20.19,16.61 21.36,17.78 25.12,17.78 25.37,18.03 v2(25.56,18.03)
  S6 w0.064: v3(18.69,27.05) 18.62,27.13 v5(18.62,27.36) ; v3(14.25,27.05) 14.43,26.87 14.43,26.12 14.22,25.91 14.22,25.68 14.22,25.68 14.22,25.28 14.58,24.92 14.58,23.04 15.29,22.33 15.29,17.81 17.04,16.05 v3(17.91,16.05)
  BOTTOM w0.066: R2506.2 18.39,25.27 18.39,27.13 v5(18.62,27.36)
MCU_SPI3_MISO_R: length 3.8
  BOTTOM w0.051: MCU1.C7 14.13,24.84 15.65,24.84
  BOTTOM w0.066: 15.65,24.84 15.82,25.02 16.81,25.02 16.92,24.92 R2506.1
MCU_SPI3_MOSI_1P8V: length 26.1
  S3 w0.064: v2(27.77,28.91) 27.77,28.6 26.17,27 22.73,27 21.89,26.16 14.96,26.16 v3(14.53,25.73)
  S6 w0.064: v3(14.53,25.73) 14.63,25.83 14.63,29.35 14.41,29.57 v5(14.41,32.48)
  BOTTOM w0.066: U1102.3 18.04,33.51 17.58,33.05 14.98,33.05 v5(14.41,32.48)
MCU_SPI3_MOSI_3P3V: length 13.3
  G7 w0.064: v5(19.17,22.56) 19.57,22.56 19.86,22.85 19.86,28.6 19.68,28.78 19.68,30.64 v5(19.64,30.69)
  BOTTOM w0.066: v5(19.17,22.56) 19.11,22.56 18.76,22.91 R2507.1 ; U1102.4 18.04,31.18 18.53,30.69 v5(19.64,30.69)
MCU_SPI3_MOSI_R: length 2.9
  BOTTOM w0.051: MCU1.C6 14.13,23.88 15.37,23.88
  BOTTOM w0.066: 15.37,23.88 R2507.2
MCU_SPI3_RDY: length 44
  S3 w0.05: 27.94,28.33 28.17,28.56 v2(28.17,28.88)
  S3 w0.064: 27.94,28.33 26.31,26.7 22.83,26.7 21.96,25.83 17.92,25.83 15.92,23.83 15.92,17.51 15.32,16.91 6.68,16.91 6.43,17.17 6.02,17.17 v3(5.84,17.35)
  S6 w0.064: v3(5.84,17.35) 5.84,19.25 v4(5.77,19.33)
  G7 w0.064: v4(5.77,19.33) v5(4.22,19.33)
  BOTTOM w0.058: 4.27,21.87 4.27,19.38 v5(4.22,19.33)
  BOTTOM w0.066: R2516.2 6.15,26.83 5.57,26.24 5.57,25.54 3.81,23.78 3.81,22.33 4.27,21.87
MCU_SPI3_RDY_R: length 3.1
  BOTTOM w0.066: R2516.1 6.52,25.82 6.66,25.68 8.47,25.68 MCU1.N10
MCU_TRACE_CLK: length 43.6
  S6 w0.064: v5(17.91,9.15) 17.91,9.32 11.86,15.37 11.86,16.32 v4(12.59,17.05)
  G7 w0.064: v5(14.9,21.61) 14.9,21.58 12.7,19.38 12.7,17.16 v4(12.59,17.05)
  BOTTOM w0.066: v5(17.91,9.15) 18.07,9.31 41.65,9.31 43.81,11.48 JMISC1.4
